# Altium PCB keyboard_main.PcbDoc
Units mm, origin at the board's own origin, x right, y up, seen from the top; angles counter-clockwise.
Board outline 66.29 x 52.63 mm, 4 copper layers (Top Layer, GND, PWR, Bottom Layer), stack 1.642 mm thick; 75 components, 82 nets, 323 pads, 184 vias.
Unrouted connection lines stored in the file: 43.
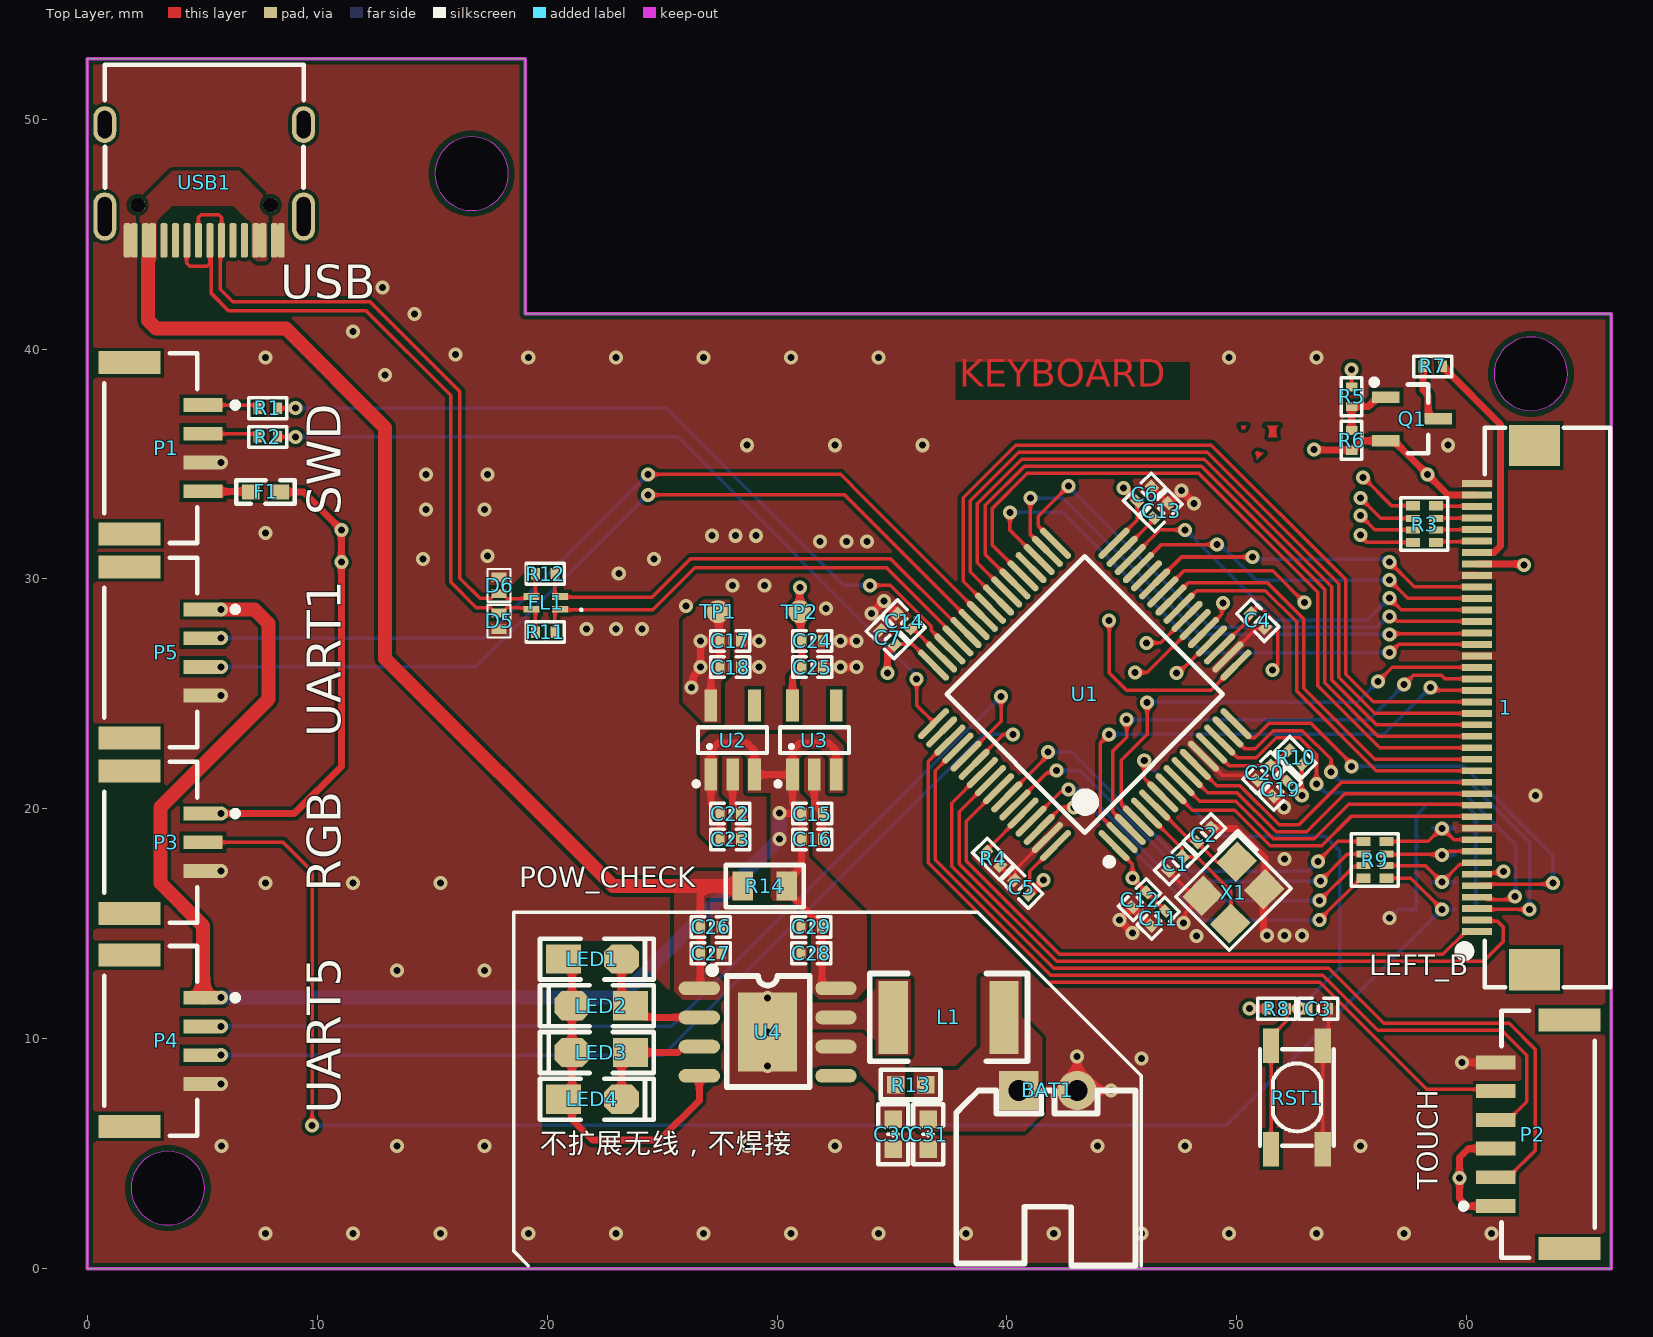
[diagram p0: Top Layer view]
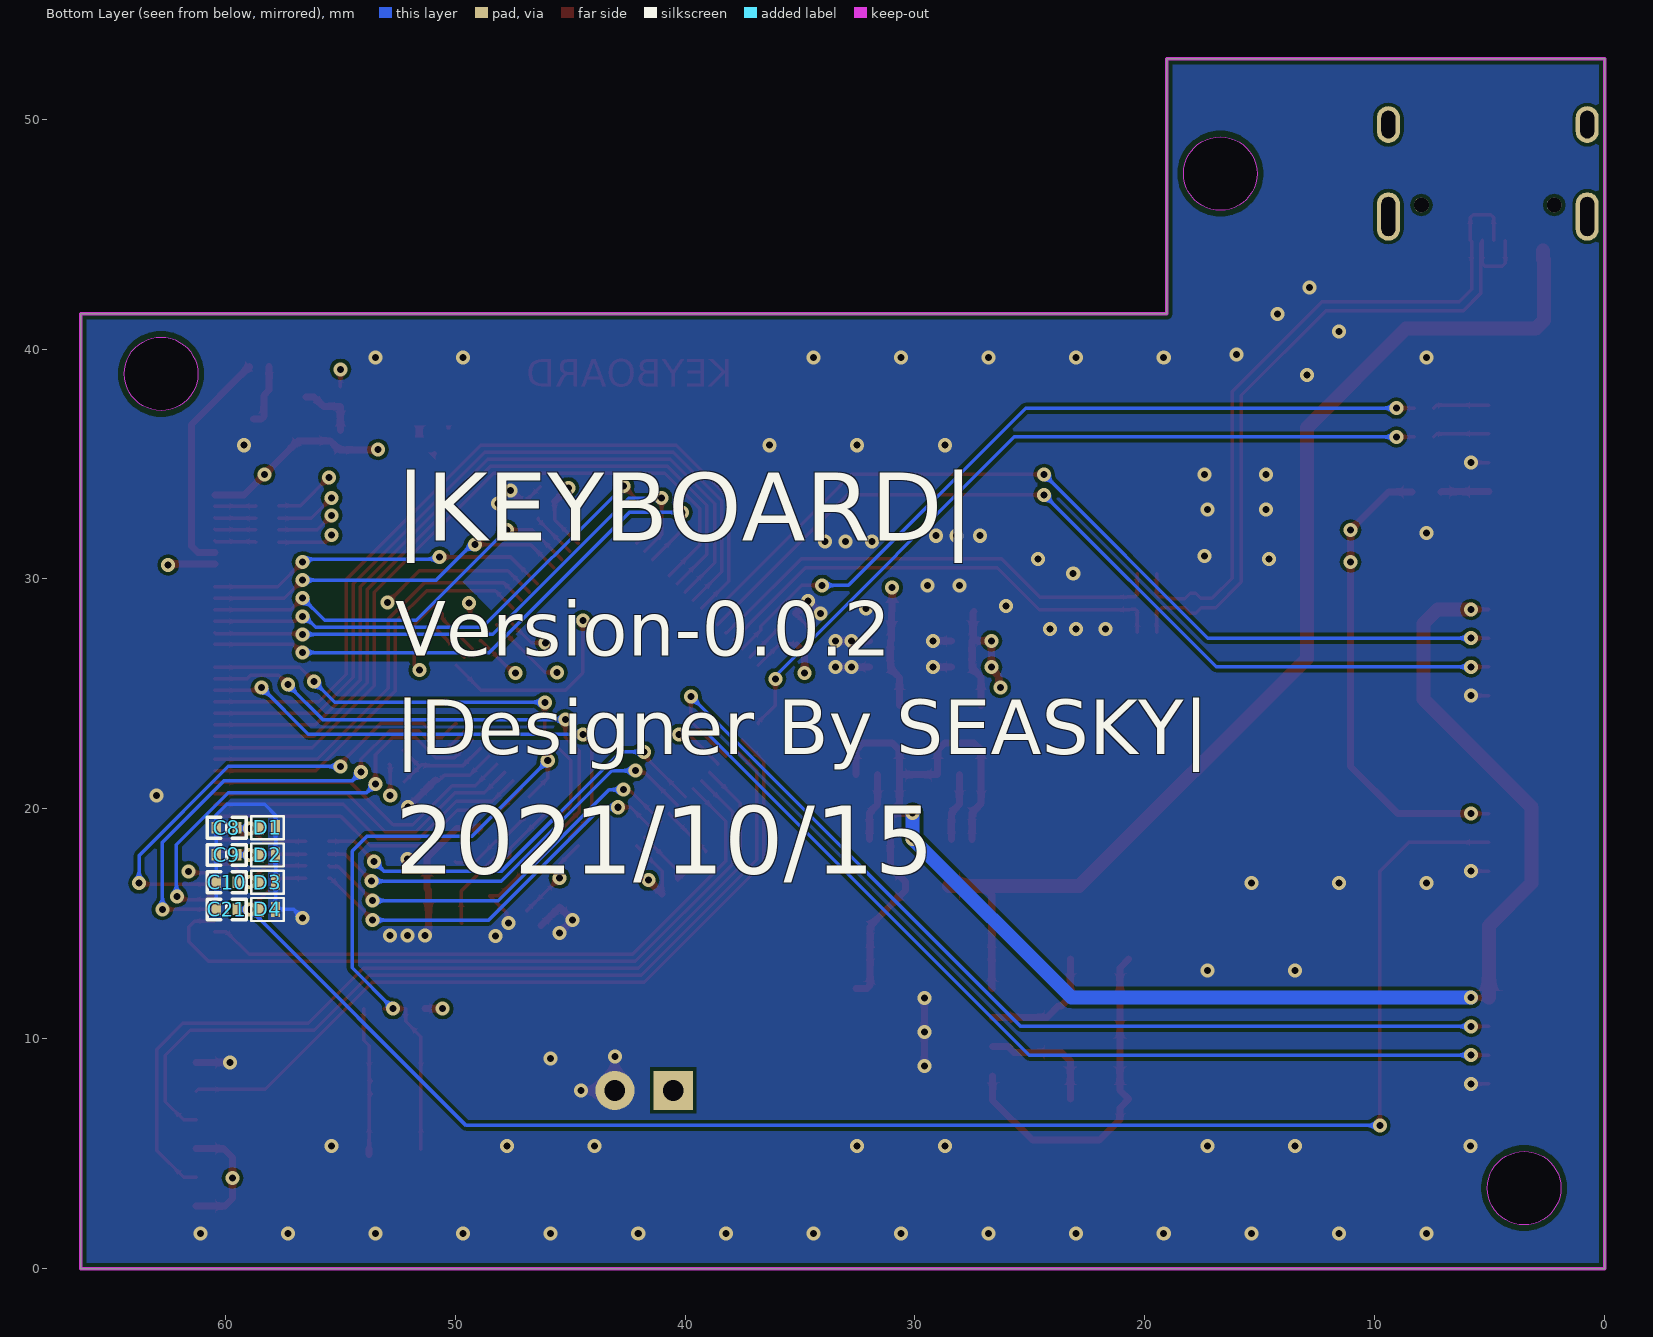
[diagram p1: Bottom Layer view, seen from below]
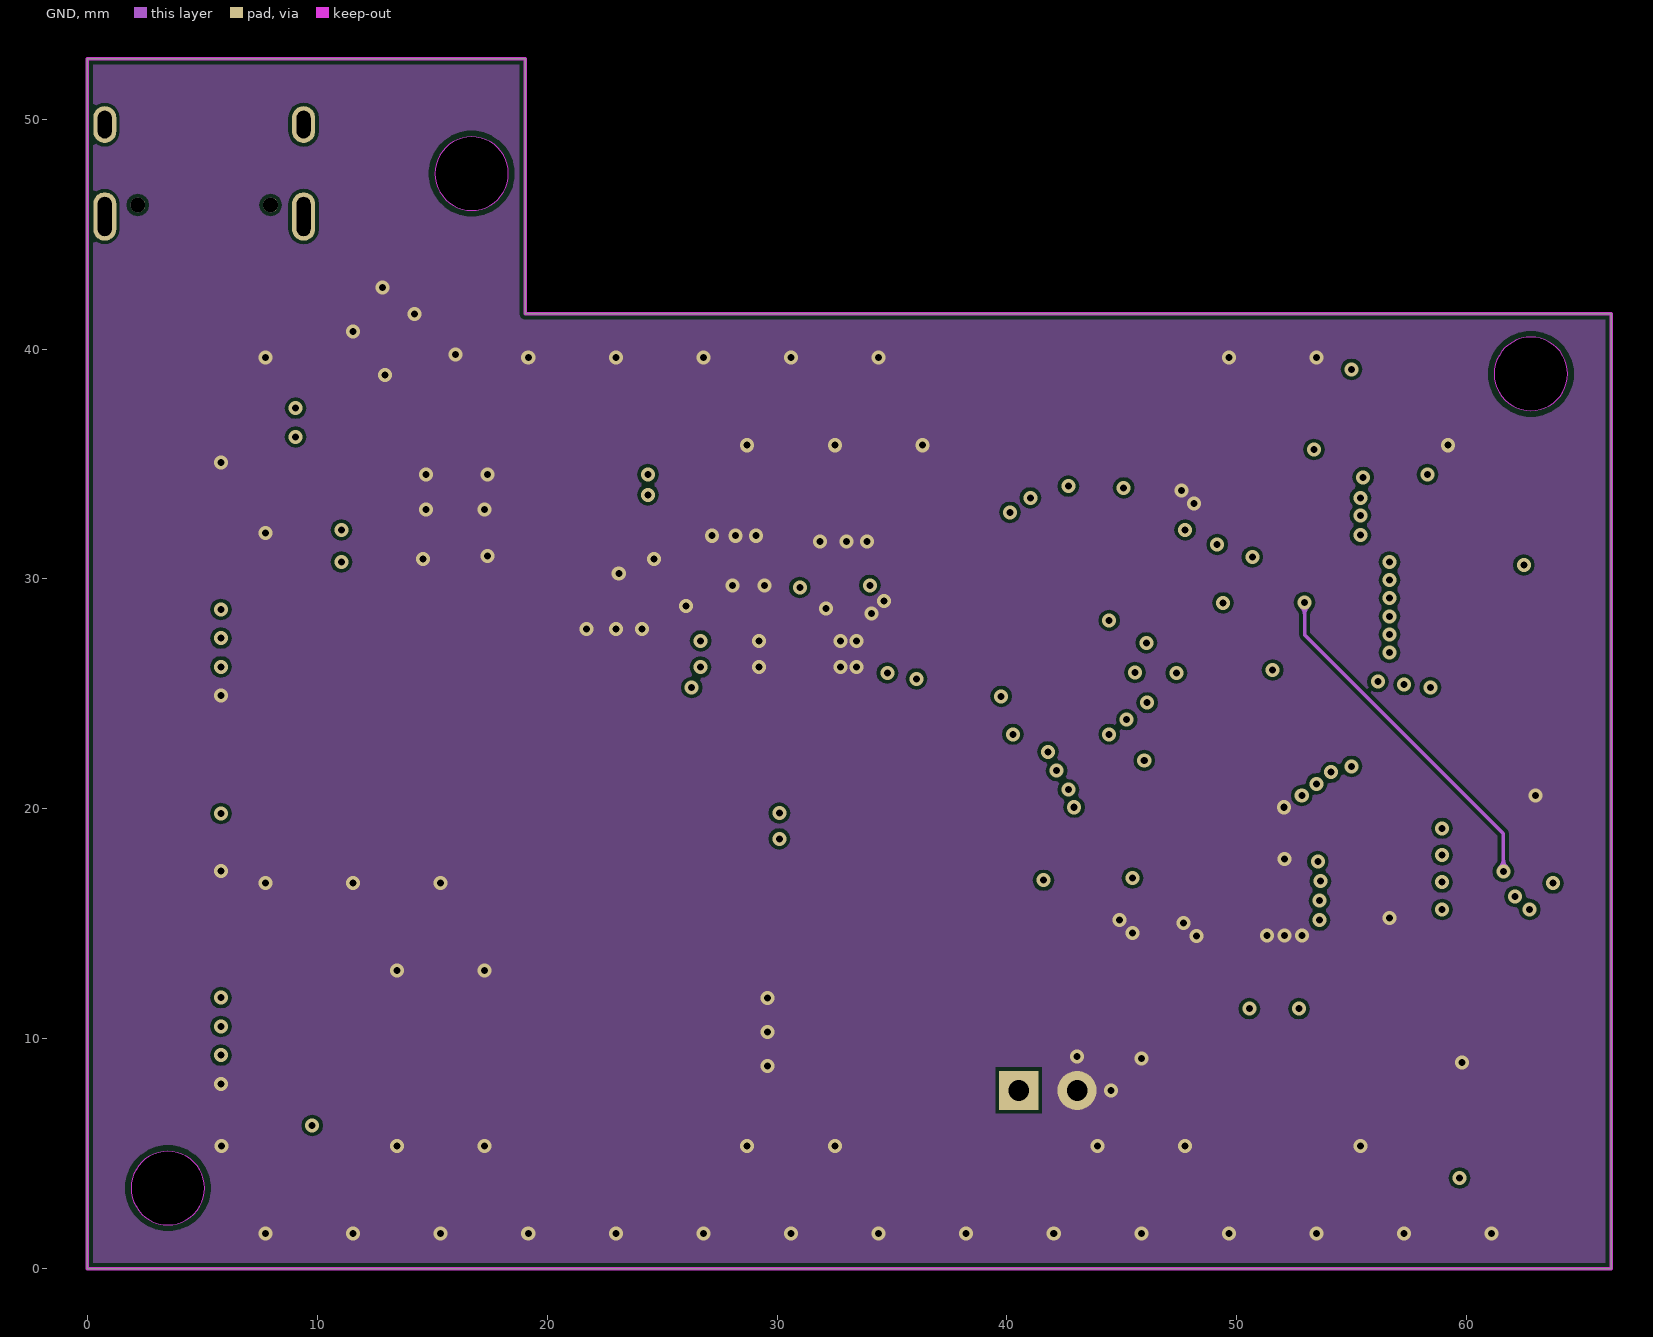
[diagram p2: GND]
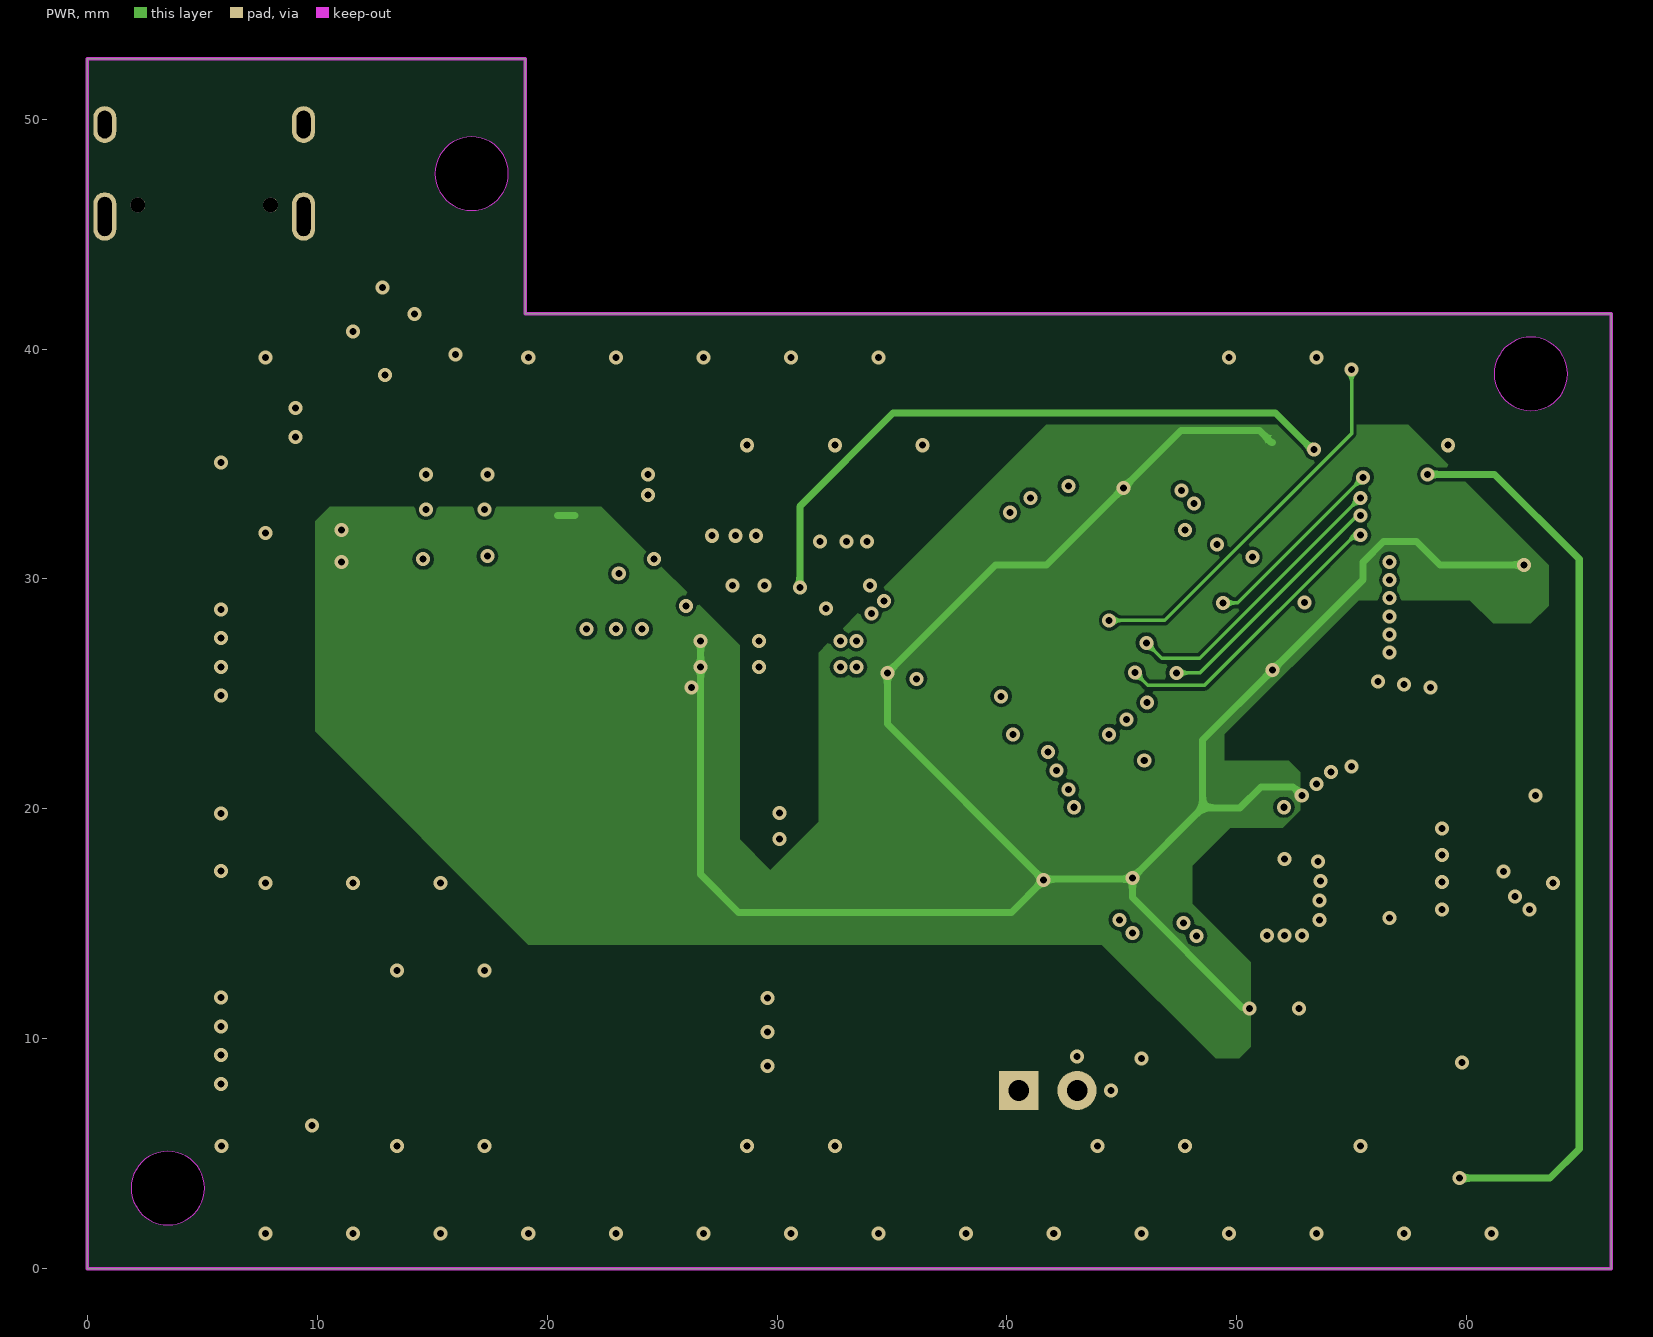
[diagram p3: PWR]
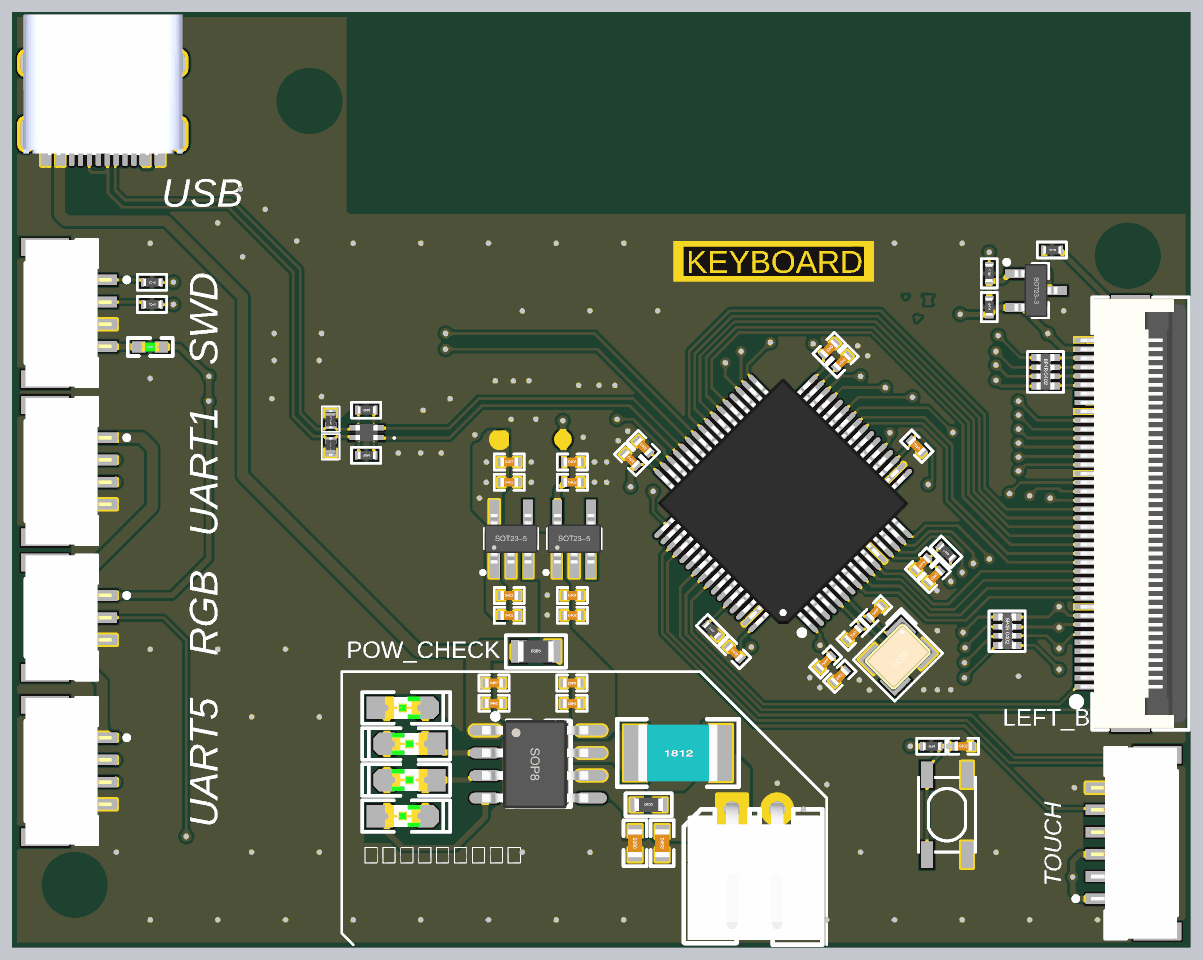
[diagram p4: 3D render of the assembled board from above, using the file's embedded part models]
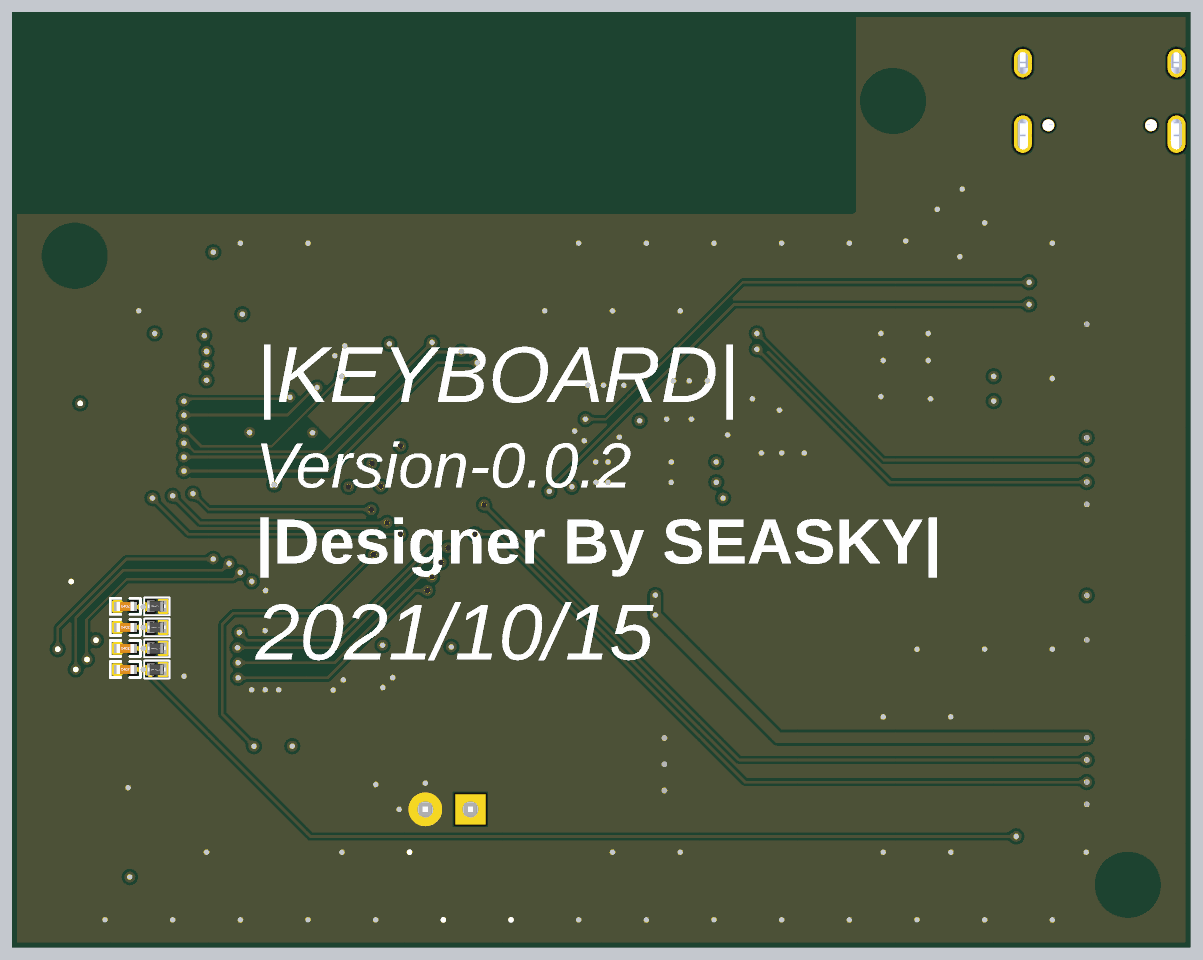
[diagram p5: 3D render of the assembled board from below, using the file's embedded part models]

## Layer stack, top to bottom
Top Solder: solder mask 0.01, Solder Resist, Dk 3.5
Top Layer: signal copper 0.036
Dielectric 2: prepreg 0.5, PP-006, Dk 4.1
GND: signal copper 0.035
Dielectric 1: dielectric 0.5, FR-4, Dk 4.8
PWR: signal copper 0.035
Dielectric 3: prepreg 0.5, PP-006, Dk 4.1
Bottom Layer: signal copper 0.036
Bottom Solder: solder mask 0.01, Solder Resist, Dk 3.5

## Board outline
0,0 0,52.632 19.05,52.632 19.05,41.529 66.294,41.529 66.294,0
cut-out: 15.116,47.632 ccw(c16.716,47.632) 16.716,46.032 ccw(c16.716,47.632) 18.316,47.632 ccw(c16.716,47.632) 16.716,49.232 ccw(c16.716,47.632)
cut-out: 61.194,38.918 ccw(c62.794,38.918) 62.794,37.318 ccw(c62.794,38.918) 64.394,38.918 ccw(c62.794,38.918) 62.794,40.518 ccw(c62.794,38.918)
cut-out: 1.9,3.5 ccw(c3.5,3.5) 3.5,1.9 ccw(c3.5,3.5) 5.1,3.5 ccw(c3.5,3.5) 3.5,5.1 ccw(c3.5,3.5)

## Design rules (kind name [scope] priority, off if disabled: settings)
BoardOutlineClearance [All] p1: gap=0.254 ignorepadtopadclearanceinfootprint=FALSE except(0: Arc-SplitContinuation Track-SplitContinuation SMDPad-SplitContinuation THPad-SplitContinuation Via-SplitContinuation Fill-SplitContinuation Poly-SplitContinuation Region-SplitContinuation Text-SplitContinuation)
Clearance [All] p1: gap=0.152 ignorepadtopadclearanceinfootprint=TRUE except(0: Arc-Hole Track-Hole SMDPad-Hole THPad-Hole Via-Hole Fill-Hole Poly-Hole Region-Hole Text-Hole)
DiffPairsRouting [All] p1: maxlimit=0.254 minlimit=0.254 mostfreqgap=0.254 toplayer_minwidth=0.152 toplayer_maxwidth=0.381 toplayer_prefwidth=0.381 midlayer1_minwidth=0.152 midlayer1_maxwidth=0.381 midlayer1_prefwidth=0.381 midlayer2_minwidth=0.152 midlayer2_maxwidth=0.381 midlayer2_prefwidth=0.381 bottomlayer_minwidth=0.152 bottomlayer_maxwidth=0.381 bottomlayer_prefwidth=0.381 maxuncoupledlength=12.7
PlaneConnect [All] p1: planeconnectstyle=Direct reliefexpansion=0.508 reliefentries=4 reliefconductorwidth=0.254 reliefairgap=0.254
PolygonConnect [All] p1: connectstyle=Direct reliefconductorwidth=0.254 reliefentries=4 polygonreliefangle="90 Angle" airgapwidth=0.254
RoutingVias [All] p1: holewidth=0.305 width=0.61 viastyle="Through Hole" minholewidth=0.305 minwidth=0.61 maxholewidth=0.61 maxwidth=1.219
SolderMaskExpansion [All] p1: expansion=0.102 istentingtop=FALSE
Width [All] p1: maxlimit=2.54 minlimit=0.152 preferedwidth=0.254
28 further rules are at their usual default settings.

## Classes and differential pairs
differential pair USB: +USB_P -USB_N
differential pair USB_FS: +USB_FS_P -USB_FS_N

## Components (designator, comment, footprint, x,y, rotation, side; value= is the part's Value field where it differs from the comment)
1 "FPC1.0-40P" "FPC0.5 2H-WS-40P" 62.949,24.403 r90 top
BAT1 "HDR-1X2" XH2.54-WI-2P 41.783,7.747 r0 top
C1 "22pF" "C 0402_L" 47.336,17.61 r225 top
C2 "22pF" "C 0402_L" 48.594,18.867 r45 top
C3 "0.1uF" "C 0402_L" 53.536,11.303 r0 top
C4 "0.1uF" "C 0402_L" 50.915,28.193 r135 top
C5 "0.1uF" "C 0402_L" 40.642,16.581 r315 top
C6 "0.1uF" "C 0402_L" 45.989,33.685 r225 top
C7 "0.1uF" "C 0402_L" 34.805,27.447 r315 top
C8 "47pF" "C 0402_L" 59.944,19.177 r180 bottom
C9 "47pF" "C 0402_L" 59.944,17.992 r180 bottom
C10 "47pF" "C 0402_L" 59.944,16.806 r180 bottom
C11 "0.1uF" "C 0402_L" 46.579,15.236 r45 top
C12 "2.2uF" "C 0402_L" 45.771,16.045 r45 top
C13 "2.2uF" "C 0402_L" 46.708,32.966 r225 top
C14 "2.2uF" "C 0402_L" 35.524,28.166 r315 top
C15 "4.7uF" "C 0402_L" 31.523,19.788 r0 top
C16 "0.1uF" "C 0402_L" 31.523,18.669 r0 top
C17 "4.7uF" "C 0402_L" 27.967,27.305 r0 top
C18 "0.1uF" "C 0402_L" 27.967,26.162 r0 top
C19 "4.7uF" "C 0402_L" 51.895,20.854 r225 top
C20 "0.1uF" "C 0402_L" 51.186,21.564 r225 top
C21 "47pF" "C 0402_L" 59.944,15.621 r180 bottom
C22 "4.7uF" "C 0402_L" 27.967,19.788 r0 top
C23 "0.1uF" "C 0402_L" 27.967,18.669 r0 top
C24 "4.7uF" "C 0402_L" 31.523,27.305 r0 top
C25 "0.1uF" "C 0402_L" 31.523,26.162 r0 top
C26 "4.7uF" "C 0402_L" 27.109,14.859 r0 top
C27 "0.1uF" "C 0402_L" 27.109,13.716 r0 top
C28 "4.7uF" "C 0402_L" 31.496,13.716 r180 top
C29 "0.1uF" "C 0402_L" 31.496,14.859 r180 top
C30 "22uF" "C 0603_L" 35.052,5.842 r90 top
C31 "22uF" "C 0603_L" 36.576,5.842 r270 top
D1 "PESD5V0F1BL,315" SOD-882_L1.0-W0.6-BI 58.166,19.177 r180 bottom
D2 "PESD5V0F1BL,315" SOD-882_L1.0-W0.6-BI 58.166,17.992 r180 bottom
D3 "PESD5V0F1BL,315" SOD-882_L1.0-W0.6-BI 58.166,16.806 r180 bottom
D4 "PESD5V0F1BL,315" SOD-882_L1.0-W0.6-BI 58.166,15.621 r180 bottom
D5 "PESD5V0F1BL,315" SOD-882_L1.0-W0.6-BI 17.907,28.163 r270 top
D6 "PESD5V0F1BL,315" SOD-882_L1.0-W0.6-BI 17.907,29.718 r90 top
F1 "0.6A" "FU 0402" 7.747,33.782 r180 top
FL1 "DLP11SN900HL2B" DLP11SA350HL2B 19.939,28.956 r180 top
L1 "1uH" "L 1812" 37.465,10.922 r0 top
LED1 "红色" "LED 0805G" 21.971,13.462 r0 top
LED2 "红色" "LED 0805G" 22.352,11.43 r180 top
LED3 "红色" "LED 0805G" 22.352,9.398 r180 top
LED4 "红色" "LED 0805G" 21.971,7.366 r0 top
P1 "SWD" JST-SM04B-GHS-TB_V 3.429,35.687 r270 top
P2 "TOUCT" JST-SM06B-GHS-TB_V 62.865,5.842 r90 top
P3 "RGB" JST-SM03B-GHS-TB_V 3.429,18.542 r270 top
P4 "UART5" JST-SM04B-GHS-TB_V 3.429,9.906 r270 top
P5 "BLE" JST-SM04B-GHS-TB_V 3.429,26.797 r270 top
Q1 "SS8550" SOT23-3N 57.629,36.957 r270 top
R1 "0R" "R 0402_L" 7.874,37.426 r180 top
R2 "0R" "R 0402_L" 7.874,36.176 r180 top
R3 "22R" RCA-8P4R-0402 58.166,32.385 r270 top
R4 "10K" "R 0402_L" 39.385,17.838 r315 top
R5 "1K" "R 0402_L" 54.991,37.954 r270 top
R6 "10K" "R 0402_L" 54.991,36.049 r270 top
R7 "10R" "R 0402_L" 58.547,39.243 r180 top
R8 "10K" "R 0402_L" 51.758,11.303 r180 top
R9 "0R" RCA-8P4R-0402 56.007,17.78 r270 top
R10 "0R" "R 0402_L" 52.578,22.225 r135 top
R11 "22R" "R 0402_L" 19.939,27.686 r180 top
R12 "22R" "R 0402_L" 19.939,30.226 r180 top
R13 "0.5R" "R 0603_L" 35.814,8.001 r0 top
R14 "0R" "R 0805_L" 29.464,16.637 r0 top
RST1 "KEY_M" SMD-3.2*4.2 52.616,7.439 r90 top
TP1 "3V3" "TEST 1" 27.432,28.575 r180 top
TP2 "3V3" "TEST 1" 30.988,28.575 r180 top
U1 "STM32F405RGT6_LQFP64" LQFP-64_10X10X05P 43.385,24.974 r135 top
U2 "RT9013-33GB" SOT23-5M 28.067,22.987 r0 top
U3 "RT9013-33GB" SOT23-5M 31.623,22.987 r0 top
U4 "IP5306" SOP-8_EP_150mil 29.591,10.287 r270 top
USB1 "USB_Type-C" Type-C-TOP 5.08,47.244 r90 top
X1 "12M" "OSC 3225-4P" 49.851,16.353 r225 top
